# KiCad board delta48m.kicad_pcb (continued)
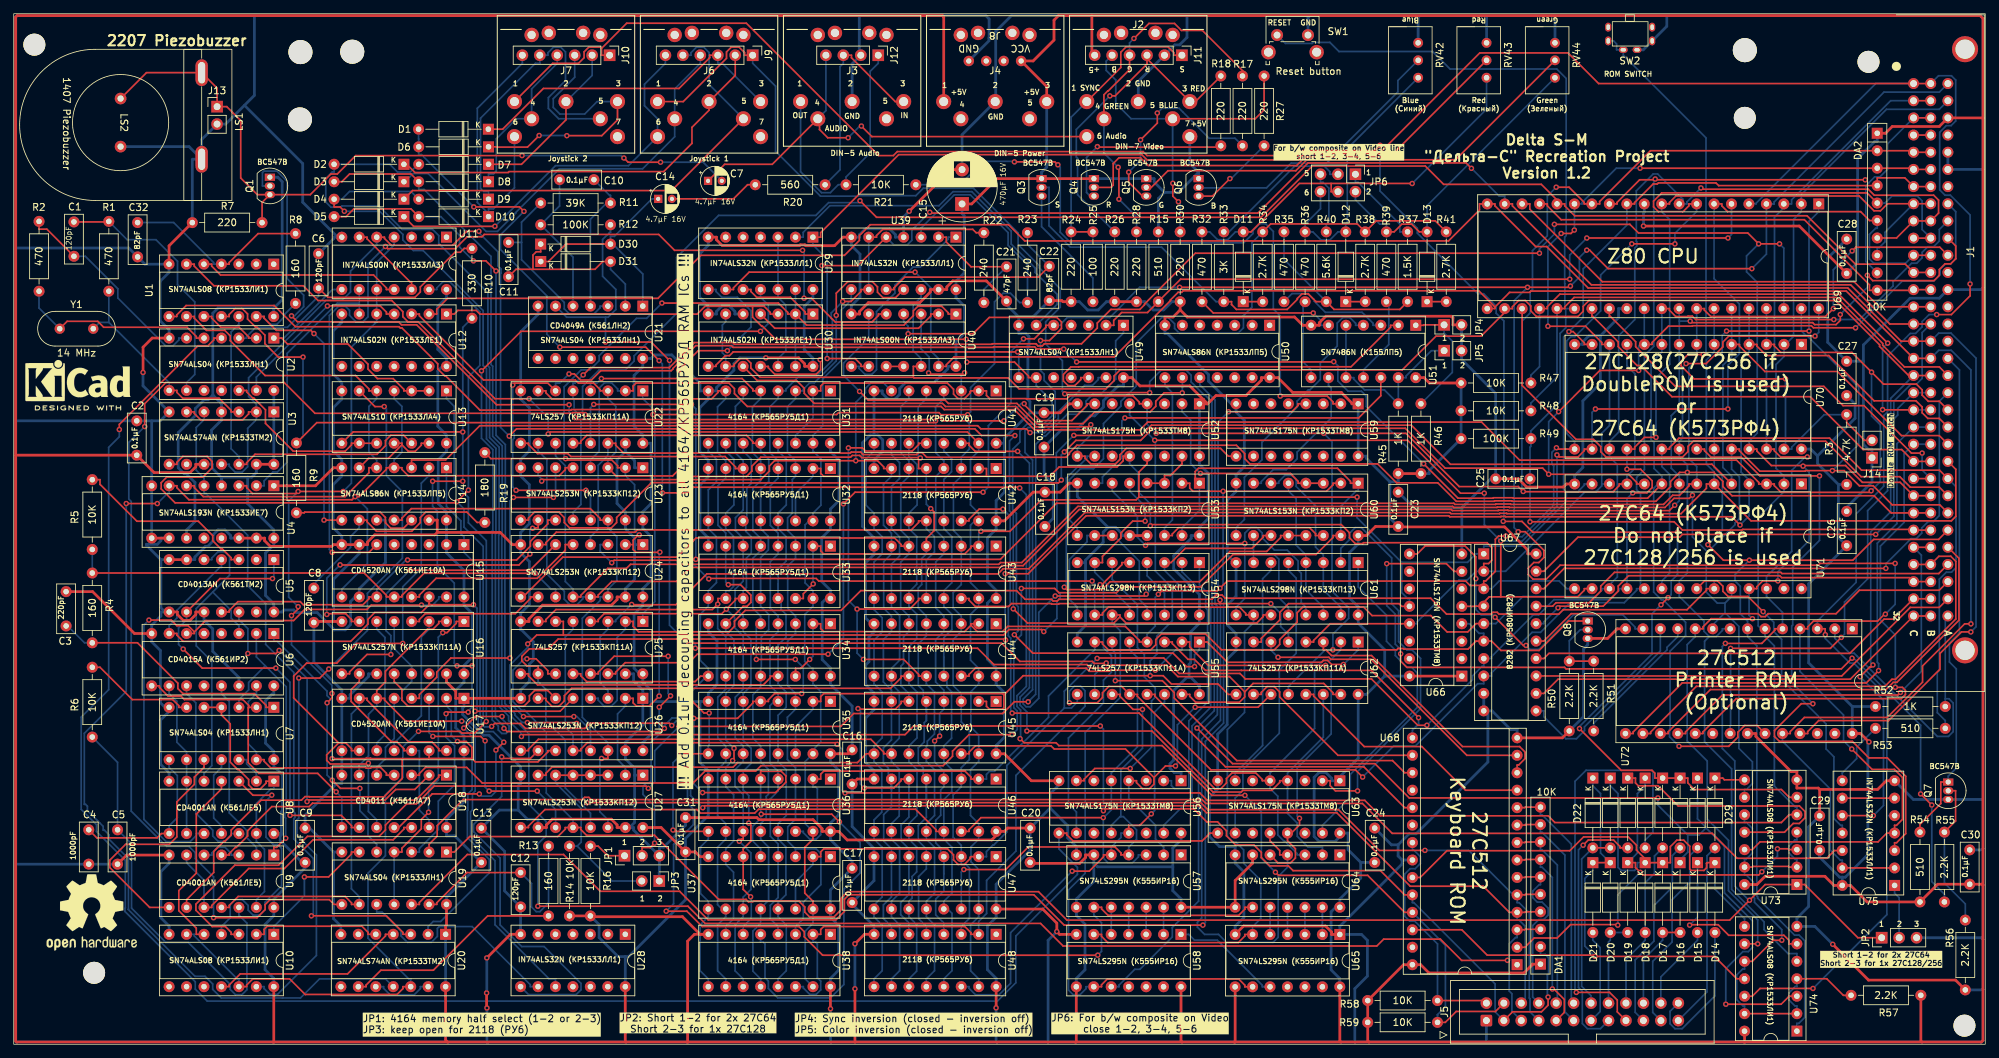
[diagram p0: board, top side]
## Routing (per net, layer and track width the routed paths; a pad name or vN(x,y) marks a point on that pad's centre or on a via; arc(x,y) is an arc through that point) (continued)
VIBOZUL: length 199.8
  Top w0.25: v1(171.9,54.97) 170.71,54.97 168.75,56.93 148.34,56.93 v1(145.66,59.61) ; v1(138.65,102.62) 110.89,102.62 109.01,104.5 108.89,104.5 107.56,105.84 107.56,107.42 ; 107.56,107.42 109.23,107.42 110.13,106.52 110.13,106.29 U30.3 ; 107.56,107.42 100.63,107.42 99.49,106.28 67.87,106.28 67.33,106.82 64.65,106.82 64.12,106.29 U12.1 ; v1(138.74,99.29) 145.69,99.29 147.72,97.26 147.72,97.03 U49.9 ; U55.1 173.73,58.55 176.68,55.6 190.38,55.6 190.66,55.88 191.26,55.88 191.85,55.28 v1(193.57,55.28)
  Bottom w0.25: v1(171.9,54.97) 171.9,56.72 172.6,57.42 U55.1 ; v1(138.65,102.62) 138.65,99.38 v1(138.74,99.29) ; v1(193.57,55.28) 195.72,57.42 U62.1 ; v1(145.66,59.61) 146.23,60.18 146.23,63.67 145.96,63.95 145.96,77.28 145.41,77.82 145.41,86.6 146.47,87.66 146.47,89.25 147.49,90.27 149.93,90.27 151.15,91.49 151.15,93.59 148.84,95.9 U49.9
VOZUL: length 150.5
  Top w0.25: v1(68.09,98.02) 73.85,103.78 v1(108.71,103.78) ; v1(65.51,46.02) 67.2,47.71 v1(71.08,47.71)
  Bottom w0.25: U29.11 108.72,108.73 109.84,107.6 109.84,104.91 v1(108.71,103.78) ; U20.2 60.33,17.13 61.07,17.88 62.16,17.88 69.23,24.95 69.23,26.91 66.04,30.09 66.04,34.01 66.1,34.07 66.1,36.43 66.72,37.05 66.72,44.82 v1(65.51,46.02) ; v1(71.08,47.71) 71.08,47.35 72.09,46.34 72.09,45.67 71.66,45.24 71.05,45.24 70.54,45.75 70.54,46.32 69.66,47.2 69.66,74.7 69.74,74.78 69.74,86.55 68.09,88.2 v1(68.09,98.02)
WEL: length 121
  Top w0.25: v1(119.73,106.1) 119.73,109.32 121.42,111.01 124.98,111.01 125.74,110.25 125.74,109.47 126.53,108.67 128.36,108.67 U39.11
  Bottom w0.25: 113.81,28.43 116.82,28.43 117.5,27.76 117.5,23.23 114.93,20.67 114.93,18.26 113.81,17.13 113.81,16 ; 113.81,28.43 113.81,27.3 ; 113.81,28.43 112.67,29.56 112.67,31.65 113.81,32.78 113.81,40.26 112.62,41.44 112.62,47.59 113.81,48.78 113.81,51.06 112.65,52.22 112.65,58.65 113.81,59.81 113.81,62.33 112.67,63.47 112.67,69.6 113.81,70.74 113.81,73.63 112.66,74.78 112.66,76.63 113.34,77.31 113.34,82.21 113.81,82.68 113.81,84.93 112.63,86.11 112.63,92.8 113.81,93.98 113.81,95.1 114.93,95.1 114.93,95.34 115.87,96.28 116.55,96.28 119.73,99.46 v1(119.73,106.1)
YB: length 45.3
  Top w0.25: R39.2 200.95,118.25 202.08,119.38 203.49,119.38 204.61,118.25 D13.2
  Bottom w0.25: D13.2 205.74,122.07 RV44.1 ; JP6.2 195.31,122.92 198.85,119.38 199.82,119.38 R39.2
YG: length 40.5
  Bottom w0.25: JP6.6 190.23,121.62 187.99,119.38 R36.2 189.11,118.25 190.29,117.07 191.6,117.07 192.78,118.25 D12.2 193.9,119.38 194.13,119.6 194.13,130.37 RV42.1
YR: length 56.5
  Top w0.25: 191.78,125.29 191.78,124.1 JP6.4 ; 191.78,125.29 187.15,125.29 180.11,118.25 D11.2 ; 191.78,125.29 v1(203.58,125.29)
  Bottom w0.25: R32.2 174.1,118.25 175.24,117.11 176.72,117.11 177.86,118.25 D11.2 ; v1(203.58,125.29) 214.4,136.12 RV43.1
ZPRG+: length 85.8
  Top w0.25: 106.18,98.67 108.21,96.63 113.93,96.63 115.08,95.48 115.08,94.74 116.53,93.29 135.18,93.29 135.64,92.83 145.84,92.83 148.8,89.88 156.49,89.88 v1(156.79,90.18) ; U52.9 155.95,85.6 155.95,85.32 156.8,84.47 160.38,84.47 161.04,85.13 161.04,85.82 161.97,86.74 175.67,86.74 176.81,85.6 U59.9
  Bottom w0.25: v1(156.79,90.18) 156.79,88.7 154.82,86.73 U52.9
ZPRGAT+: length 283.7
  Top w0.25: U56.9 153.28,30.74 153.28,30.5 154.19,29.59 173,29.59 174.14,30.74 U63.9 ; v1(15.37,89.48) 15.37,90.22 26.81,101.66 28.27,101.66 29.11,102.51 29.11,102.79 U2.4
  Bottom w0.25: v1(15.37,89.48) 15.37,88.43 13.82,86.88 13.82,51.61 9.82,47.62 9.82,34.19 12.05,31.96 12.05,30.96 16.25,26.76 16.25,19.85 16.19,19.79 16.19,19.33 26.43,9.1 26.43,8.02 28.16,6.28 143.2,6.28 145.88,8.96 145.88,15.76 154.84,24.72 154.84,25.75 152.16,28.43 U56.9
ZPRGBD: length 292.6
  Top w0.25: U64.9 179.22,19.94 179.22,19.66 178.33,18.77 159.3,18.77 158.36,19.71 158.36,19.94 U57.9 ; v1(94.98,19.37) 97.98,19.37 100.22,17.13 114.33,17.13 115.07,16.39 115.07,15.65 117.75,12.97 v1(157.8,12.97) ; U3.8 23.75,84.42 23.75,84.7 24.6,85.56 28.16,85.56 28.88,84.84 28.88,83.9 27.53,82.55 22.27,82.55 21.46,81.74 21.46,80.84 23.5,78.8 64.32,78.8 v1(64.5,78.98) v1(66.18,80.66) ; v1(69.57,46.26) 70,46.69 73.77,46.69 74.49,45.97 83.13,45.97 83.9,46.73 95.46,46.73 v1(95.79,46.4)
  Bottom w0.25: v1(94.98,19.37) 96.06,20.44 96.06,29.09 98.92,31.96 98.92,34.22 98.08,35.06 98.08,46.09 97.13,47.04 96.43,47.04 v1(95.79,46.4) ; v1(69.57,46.26) 69.5,46.2 68.55,46.2 68.06,46.68 68.06,47.28 68.34,47.56 68.34,72.48 65.54,75.27 65.54,77.94 v1(64.5,78.98) ; 60.46,109.86 61.58,109.86 61.58,110.09 62.49,111 63.47,111 67.85,106.62 67.85,98.8 66.18,97.14 v1(66.18,80.66) ; U57.9 157.23,18.82 158.35,17.7 158.35,13.51 v1(157.8,12.97)
ZPVDN: length 269.3
  Top w0.25: U65.6 179.21,15.98 179.21,15.75 178.26,14.8 159.26,14.8 158.35,15.71 158.35,15.99 U58.6 ; v1(156.98,67.42) 117.19,67.42 116.81,67.8 101.25,67.8 v1(101.18,67.73) ; U54.10 158.49,62.49 158.49,62.77 159.35,63.63 178.44,63.63 179.35,62.71 179.35,62.49 U61.10 ; 22.61,105.93 23.73,105.93 23.73,106.16 25.1,107.53 37.9,107.53 40.99,104.44 56.09,104.44 56.27,104.26 56.51,104.26 61.73,99.04 61.73,98.29 62.72,97.3 62.87,97.3 67.86,92.31 81.13,92.31 81.2,92.39 v1(97.34,92.39)
  Bottom w0.25: U61.10 180.48,61.36 179.17,60.05 179.17,48.3 176.67,45.8 176.67,30.23 177.52,29.39 177.94,29.39 179.04,28.29 179.04,26.35 181.54,23.85 181.54,18.3 180.34,17.11 U65.6 ; U54.10 157.36,67.04 v1(156.98,67.42) ; v1(97.34,92.39) 98.57,91.16 98.57,70.29 101.13,67.73 v1(101.18,67.73)
ВУL: length 318.2
  Top w0.25: v1(284.9,60.02) 283.54,60.02 280.41,56.89 280.41,54.6 272.92,47.11 262.75,47.11 261.15,45.51 261.15,45.23 U72.25 ; 60.46,106.29 61.58,106.29 61.58,106.99 63.16,108.57 93.78,108.57 100.05,114.84 120.93,114.84 123.1,117 123.1,117.71 124.67,119.28 144.82,119.28 147.17,116.93 208.86,116.93 213.37,121.44 213.37,122.32 U69.20 215.62,122.32 215.62,122.04 221.55,116.11 223.16,116.11 229.19,110.08 266.99,110.08 274.74,102.34 J1.16 J1.16
  Bottom w0.25: J1.16 280.23,103.51 282.01,103.51 285.65,99.87 285.65,60.76 v1(284.9,60.02)
ЗАПРШL: length 79
  Top w0.25: J1.50 280.31,98.59 275.23,98.59 272.07,101.75 272.07,102 265.36,108.71 227.15,108.71 225.78,107.34 225.78,107.08 U69.25
  Bottom w0.25: U69.25 224.66,105.95 224.65,105.95 224.65,97.13 220.85,93.33 220.85,92.2
ЗПL: length 286.7
  Top w0.25: 130.96,97.08 130.96,98.67 U40.12 ; 130.96,97.08 108.65,97.08 107.3,98.43 107.3,99.14 106.64,99.8 105.71,99.8 104.86,98.95 104.86,98.77 104.76,98.67 103.64,98.67 ; 130.96,97.08 131.05,96.99 144.75,96.99 146.34,95.4 158.98,95.4 160.17,96.59 160.17,97.28 161.05,98.16 202.13,98.16 207.05,103.07 213.6,103.07 217.6,107.08 ; 217.6,107.08 218.16,107.08 218.16,107.36 219.06,108.26 220.05,108.26 220.85,107.45 220.85,106.74 221.65,105.94 227.72,105.94 228.47,106.69 228.47,107.42 229.31,108.26 265.18,108.26 271.62,101.82 271.62,101.57 275.84,97.34 J1.18 J1.18 ; 217.6,107.08 U69.22 ; v1(249.93,57.63) 264.45,57.63 v1(266.04,59.22)
  Bottom w0.25: U40.12 132.09,99.8 130.93,100.95 130.93,107.58 132.09,108.73 U39.12 ; 103.64,98.67 103.64,100.17 103.16,100.65 103.16,104.68 103.64,105.16 103.64,106.29 ; U72.21 249.86,46.36 249.93,46.42 v1(249.93,57.63) ; v1(266.04,59.22) 266.51,59.69 266.51,64.37 269.88,67.73 269.88,77.67 272.78,80.58 272.78,91.43 273.23,91.89 273.23,94.02 J1.18
НПРL: length 62.8
  Top w0.25: U69.17 223.24,122.32 223.24,122.04 225.26,120.02 260.66,120.02 270.15,110.54 270.15,109.74 DA2.10 276.46,109.74 J1.13 J1.13
ОЖИДL: length 83
  Top w0.25: J1.20 272.09,92.34 v1(272.06,92.37) ; v1(272.8,102.05) 265.67,109.18 225.07,109.18 223.24,107.36 223.24,107.08 U69.24
  Bottom w0.25: v1(272.06,92.37) 272.06,101.31 v1(272.8,102.05) ; J1.20 J1.20 ; 220.85,96.25 220.85,97.38 222.12,98.64 U69.24
ОЗУL: length 288.1
  Top w0.25: v1(212.2,127.5) 211.41,128.29 188.42,128.29 181.12,120.99 133.46,120.99 v1(133.34,121.1) ; v1(268.77,53.5) 270.16,54.89 270.33,54.89 v1(270.65,55.21) ; v1(117.65,113.33) 122.86,113.33 U39.5 ; U30.11 109.84,98.67 109.84,98.47 110.78,97.54 116.83,97.54 117.47,98.17 117.47,99.58 v1(117.4,99.65) ; U75.10 v1(270.71,33.28) ; J1.15 J1.15 273.1,104.84 267.4,110.54 229.67,110.54 218.16,122.04 218.16,122.32 U69.19
  Bottom w0.25: v1(212.2,127.5) 216.25,123.45 217.04,123.45 U69.19 ; v1(133.34,121.1) 130.73,118.49 130.73,117.01 130.04,116.32 128.16,116.32 U39.5 ; v1(270.65,55.21) 270.33,55.53 270.33,74.6 273.23,77.51 273.23,91.2 273.69,91.65 273.69,93.58 276.19,96.09 276.98,96.09 277.81,96.92 277.81,103.59 J1.15 ; v1(270.71,33.28) 272.18,34.76 272.18,50.09 v1(268.77,53.5) ; v1(117.4,99.65) 117.65,99.9 v1(117.65,113.33)
ПЗШL: length 82.6
  Top w0.25: J1.57 280.31,81.09 276.08,81.09 274.56,82.61 268.93,82.61 263.76,87.78 244.48,87.78 243.73,87.02 243.73,86.28 242.93,85.48 231.79,85.48 231.03,86.25 231.03,86.99 229.97,88.05 227.43,88.05 219.58,95.9 U69.23
ПРL: length 398.8
  Top w0.25: v1(29.08,18.42) 35.42,18.42 36.59,19.59 36.59,20.32 37.32,21.05 45.94,21.05 46.63,20.36 47.76,20.36 ; 225.22,122.32 225.78,122.32 225.78,122.04 227.24,120.59 261.06,120.59 268.1,113.55 275.35,113.55 J1.12 J1.12 ; 225.22,122.32 222.37,125.17 208.15,125.17 205.49,127.83 189.03,127.83 181.57,120.37 125.6,120.37 v1(123.19,122.78) ; 225.22,122.32 U69.16 ; v1(19.07,89.91) 19.07,93.25 22.14,96.32 39.36,96.32 43.84,91.84 81.3,91.84 81.39,91.93 82.88,91.93 v1(83.16,91.66)
  Bottom w0.25: v1(29.08,18.42) 29.08,24.37 26.43,27.02 26.43,27.88 25.5,28.81 22.22,28.81 17.1,33.93 17.1,79.01 16.75,79.36 16.75,84.41 16.75,84.41 16.75,87.6 v1(19.07,89.91) ; v1(83.16,91.66) 82.81,92 82.81,95.74 85.2,98.13 89,98.13 90.3,99.43 90.3,100.2 96.49,106.38 96.49,114.53 102.6,120.64 116.76,120.64 118.62,122.51 122.92,122.51 v1(123.19,122.78)
РГНL: length 62.1
  Top w0.25: J1.24 J1.24 ; U69.28 232.28,105.95 232.42,105.95 236.11,102.26 236.11,101.53 241.87,95.77 263.5,95.77 266.31,92.95 269.35,92.95 276.25,86.05 v1(277.81,86.05)
  Bottom w0.25: v1(277.81,86.05) 277.81,83.59 J1.24
СБРОСL: length 171.8
  Top w0.25: J1.27 J1.27 276.46,74.94 251.69,74.94 251.6,74.85 242.91,74.85 241.71,76.05 v1(220.73,76.05)
  Bottom w0.25: U69.26 225.93,107.08 ; 225.93,107.08 225.8,107.21 225.8,110.71 225.78,110.73 225.78,117.5 225.99,117.71 225.99,140.59 224.62,141.96 209.09,141.96 206.55,144.5 192.93,144.5 191.59,145.83 189.14,145.83 188.99,145.68 185.12,145.68 SW1.1 ; 225.93,107.08 225.93,104.3 225.11,103.48 225.11,93.53 220.85,89.28 220.85,87.02 220.73,86.9 C25.1 220.73,76.05 v1(220.73,76.05)
СТОПL: length 66.1
  Top w0.25: J1.14 J1.14 271.56,107.34 267.91,110.99 231.26,110.99 220.7,121.55 220.7,122.32 U69.18
ТАКТ: length 103.5
  Top w0.25: U49.2 160.13,104.65 160.13,105.37 161.28,106.51 165.05,106.51 R15.1 166.62,108.12 169.86,111.36 v1(226.51,111.36) ; v1(229,117.35) v1(249.54,117.35)
  Bottom w0.25: U69.6 250.06,117.87 v1(249.54,117.35) ; v1(226.51,111.36) 226.51,114.86 v1(229,117.35)
ЧТL: length 311.5
  Top w0.25: 215.62,107.31 217.75,109.44 220.66,109.44 220.86,109.63 266.77,109.63 J1.17 J1.17 ; 215.62,107.31 213.27,109.67 170.23,109.67 170.02,109.46 169.5,109.46 168.37,108.33 168.37,108.23 160.18,100.04 136.89,100.04 135.75,98.9 135.75,98.67 U40.13 ; 215.62,107.31 215.62,107.08 U69.21 ; U72.24 258.61,45.23 258.61,45.51 260.66,47.57 272.73,47.57 277.87,52.71 277.87,55.07 284,61.19 v1(284.91,61.19) ; U75.13 U75.2 ; 103.64,109.86 104.76,109.86 104.76,110.09 107.06,112.39 v1(131.21,112.39)
  Bottom w0.25: U40.13 134.62,99.8 133.5,100.92 133.5,110.1 v1(131.21,112.39) ; v1(284.91,61.19) 284.91,98.14 282.05,101.01 280.23,101.01 J1.17 ; U75.13 266.18,26.79 265.9,26.79 264.44,28.25 264.44,37.15 257.48,44.11 U72.24
ЧТПЗУL: length 105
  Top w0.25: U70.20 241.04,86.63 241.04,86.87 242.41,88.23 264.32,88.23 268.99,83.56 280.33,83.56 J1.56
  Bottom w0.25: U71.20 239.92,67.44 241.05,68.57 241.05,82.96 239.92,84.09 U70.20 ; J1.56 282.74,81.16 282.74,69.37 282.08,68.71 281.33,68.71 280.31,67.69 280.31,54.42 280.01,54.13 280.01,48.28 281.18,47.11 R53.2
Net-(C1-Pad1): length 31.1
  Top w0.25: C1.1 4.81,118.65 3.68,118.65 R2.2
  Bottom w0.25: C1.1 10.43,114.69 15.16,109.96 15.16,108.62 22.13,101.65 23.18,101.65 24.03,102.51 24.03,102.79 U2.6
Net-(C1-Pad2): length 37.8
  Top w0.25: R1.1 13.76,119.69 C1.2
  Bottom w0.25: U2.9 25.16,96.3 26.35,97.49 26.35,108.06 23.84,110.57 23.84,113.97 20.71,117.11 16.51,117.11 R1.1
Net-(C3-Pad2): length 35.8
  Top w0.25: 11.43,58.43 18.02,58.43 23.89,52.56 23.89,51.77 24.62,51.04 35.01,51.04 36.73,49.32 36.73,49.04 U7.1
  Bottom w0.25: C3.2 7.85,60.89 10.3,58.43 11.43,58.43
Net-(C4-Pad2): length 24.2
  Top w0.25: U8.8 21.49,30.67 20.87,30.04 12.09,30.04 C4.2
  Bottom w0.25: U8.8 22.62,31.8 23.81,32.99 23.81,39.1 22.62,40.29 U7.8
Net-(C5-Pad2): length 62.5
  Bottom w0.25: R6.1 15.11,41.03 C5.2 16.85,29.48 16.85,27.67 17.15,27.36 17.15,19.81 22.14,14.82 25.4,14.82 31.51,8.71 31.51,7.99 32.28,7.21 33.22,7.21 33.94,7.94 33.94,17.64 32.78,18.79 U9.12
Net-(C6-Pad2): length 41.7
  Top w0.25: C6.2 45.72,108.72 58.4,108.72 59.19,109.51 59.19,110.24 64.24,115.29 65.02,115.29 65.58,115.84 R10.2
  Bottom w0.25: C6.2 44.38,108.89 39.84,104.35 35.24,104.35 33.91,103.02 33.91,102.79 U2.3
Net-(C8-Pad2): length 34
  Top w0.25: R19.2 67.45,75.96 65.95,77.46 59.97,77.46 59.18,76.67 59.18,75.92 57.93,74.67 52.81,74.67 51.42,76.06 51.42,76.3 U14.9
  Bottom w0.25: C8.2 43.69,66.99 49.03,72.33 49.03,73.91 50.29,75.17 U14.9
Net-(C10-Pad1): length 21.3
  Bottom w0.25: U21.4 83.95,120.09 86.87,123 ; 86.87,123 86.87,123.57 86.74,123.57 C10.1 ; 86.87,123 R11.2
Net-(C10-Pad2): length 21.5
  Bottom w0.25: U21.5 81.41,114.58 R12.1 79.46,122.02 C10.2
Net-(C11-Pad2): length 28.3
  Bottom w0.25: U21.3 85.37,107.45 85.37,107.21 84.43,106.28 80.91,106.28 80.14,107.04 80.14,107.98 73.92,114.2 73.92,116.72 ; R11.1 73.92,119.66 73.92,116.72 ; 73.92,116.72 C11.2
Net-(C12-Pad1): length 32.6
  Top w0.25: C12.1 65.98,24.99 61.58,20.59 61.58,20.36 60.46,20.36
  Bottom w0.25: C12.1 75.38,23.4 75.38,19.98 76.06,19.3 76.59,19.3 77.85,20.56 R13.1
Net-(C14-Pad2): length 13
  Top w0.25: C14.2 104.77,123.05 106.82,125.11 R20.2
Net-(C21-Pad1): length 18.7
  Top w0.25: C21.1 139.36,113.17 135.75,116.77 135.75,117.48 U39.2
  Bottom w0.25: R22.1 141.22,109.87 C21.1
Net-(C22-Pad1): length 31.5
  Top w0.25: U39.10 128.13,109.86 128.13,110.09 129.7,111.66 149.16,111.66 C22.1
  Bottom w0.25: R23.1 147.57,116.42 C22.1
Net-(C32-Pad2): length 27.6
  Top w0.25: R8.2 35.56,118 31.35,113.78 31.35,113.55 U1.4
  Bottom w0.25: U1.4 29.1,113.55 29.1,113.78 23.28,119.61 C32.2
Net-(D11-K): length 2.8
  Top w0.25: D11.1 R34.2
Net-(D12-K): length 2.8
  Top w0.25: D12.1 R38.2
Net-(D13-K): length 2.8
  Top w0.25: D13.1 R41.2
Net-(D30-A): length 32.9
  Top w0.25: D30.2 80.38,116.47 77.84,113.93 D31.1
  Bottom w0.25: U21.1 91.57,112.12 86.87,116.82 ; D30.2 86.87,116.82 ; 86.87,116.82 86.87,117.6 87.44,117.6 92.89,123.05 C14.1
Net-(D30-K): length 27.6
  Top w0.25: D31.2 85.75,113.93 84.62,112.81 75.59,112.81 ; 75.59,112.81 75.59,114.88 76.06,115.35 76.71,115.35 D30.1 ; 75.59,112.81 73.12,112.81 C11.1
  Bottom w0.25: U21.2 89.03,110.65 86.88,112.81 D31.2
Net-(J13-Pin_1): length 111.3
  Top w0.25: Q1.3 43.17,123.67 46.17,126.67 47.1,126.67 49.79,129.36 v1(73.99,129.36) ; Q1.3 36.15,122.53 R7.1 ; Q1.3 35.46,123.67 33.05,126.08 33.05,134.44 31.01,136.48 J13.1 29.6,139.18 LS1.1 19.32,141.42 LS2.1 ; v1(94.16,128.39) 89.44,128.39 v1(88.83,129)
  Bottom w0.25: C7.2 100.36,128.39 v1(94.16,128.39) ; v1(88.83,129) 88.77,129 88.42,129.36 v1(73.99,129.36)
Net-(JP1-A): length 5.5
  Top w0.25: R16.2 85.07,28.84 86.47,27.44 JP1.1
Net-(JP1-C): length 45.7
  Top w0.25: U25.13 85.08,53.92 85.08,54.15 87.41,56.48 v1(95.27,56.48) ; v1(93.29,29.28) 92.63,28.62 91.46,28.62 91.46,27.44 ; v1(93.97,49.06) v1(95.61,50.71)
  Bottom w0.25: v1(95.61,50.71) 95.27,51.06 v1(95.27,56.48) ; v1(93.29,29.28) 93.29,34.67 91.6,36.36 91.6,37.54 92.05,37.99 92.48,37.99 92.78,38.29 92.78,43.93 93.97,45.12 v1(93.97,49.06)
Net-(JP2-C): length 7.9
  Bottom w0.25: JP2.2 274.46,21.34 273.8,22 U75.1
Net-(JP3-B): length 32.4
  Top w0.25: U27.6 U27.5 U27.4 U27.3
  Bottom w0.25: 82.03,28.84 87.11,23.76 JP3.2 ; 82.03,28.84 R14.2 ; 82.03,28.84 82.6,29.42 82.6,34.31 78.88,38.04 U27.6
Net-(JP4-A): length 18
  Top w0.25: JP4.1 205.28,104.71 205.22,104.65 U51.1
  Bottom w0.25: JP4.1 208.22,103.54 209.42,102.34 209.42,97.8 R46.1
Net-(JP5-A): length 29.2
  Bottom w0.25: JP5.1 206.37,100.95 202.68,97.26 202.68,97.03 U51.13 201.55,93.24 R45.1 199.54,95.24 196.64,95.24 195.06,96.82 195.06,97.03 U51.10 U51.5
Net-(JP6-Pin_1): length 12.4
  Bottom w0.25: JP6.1 195.31,125.46 195.7,125.46 201.78,119.38 201.78,118.25 R37.2
Net-(JP6-Pin_3): length 21.3
  Bottom w0.25: R33.1 176.91,118.25 186.47,127.81 190.79,127.81 191.59,127 191.59,126.64 JP6.3
Net-(JP6-Pin_5): length 9.3
  Bottom w0.25: JP6.5 190.23,125.46 190.6,125.46 191.45,124.61 191.45,119.75 191.07,119.38 R40.2
Net-(Q3-E): length 18.5
  Bottom w0.25: R25.1 157.1,111.53 149.63,119.01 Q3.3
Net-(Q4-B): length 67.6
  Top w0.25: Q4.2 159.73,124.73 160.05,125.05 160.05,128.19 160.89,129.03 164.03,129.03 165.16,127.91 186.77,127.91 188.04,129.19 200.36,129.19 RV43.2
Net-(Q4-E): length 26.7
  Top w0.25: 175.72,130.75 175.55,130.59 157.82,130.59 v1(157.75,130.66)
  Bottom w0.25: Q4.3 156.7,123.46 156.17,123.98 156.17,129.08 v1(157.75,130.66)
Net-(Q5-B): length 67.2
  Top w0.25: RV44.2 209.87,128.74 188.23,128.74 186.64,127.15 168.02,127.15 165.6,124.73 Q5.2
Net-(Q5-E): length 30.2
  Top w0.25: Q5.3 164.32,123.46 162.31,125.47 v1(162.31,126.94) ; v1(166.47,135.55) 166.47,134.08 v1(164.03,131.64)
  Bottom w0.25: v1(164.03,131.64) 164.03,128.67 v1(162.31,126.94) ; v1(166.47,135.55) 167.16,136.24 169.65,136.24 174.01,131.88 177.78,131.88 178.91,130.75
Net-(Q6-B): length 40.6
  Bottom w0.25: Q6.2 172.56,124.66 182.37,124.66 185.98,128.26 191.14,128.26 201.5,138.63 201.5,140.28 RV42.2
Net-(Q6-E): length 12.6
  Top w0.25: v1(177.04,126) 174.49,123.46 Q6.3
  Bottom w0.25: R27.1 177.24,126 v1(177.04,126)
Net-(Q7-B): length 21.8
  Top w0.25: R55.1 282.68,32.51 282.68,36.9 Q7.2
  Bottom w0.25: R55.1 281.05,23.48 284.1,20.43 R56.2
Net-(Q8-B): length 9.9
  Top w0.25: R50.2 R51.1
  Bottom w0.25: Q8.2 228.05,60.34 226.44,58.73 R50.2
Net-(R2-Pad1): length 29.3
  Top w0.25: U2.5 26.57,102.79 26.57,103.02 25.23,104.37 13.09,104.37 12.22,105.23 7.77,105.23 Y1.1
  Bottom w0.25: Y1.1 3.68,107.16 R2.1
Net-(R6-Pad2): length 16.3
  Top w0.25: U7.6 24.03,49.04 24.03,49.27 23.14,50.17 17.27,50.17 12.56,54.88 R6.2
Net-(R8-Pad1): length 47.7
  Top w0.25: v1(43.71,103.45) 43.24,103.92 38.21,103.92 36.43,105.7 36.43,105.93 35.31,105.93 ; U14.8 v1(45.17,76.3)
  Bottom w0.25: v1(45.17,76.3) 45.17,101.99 v1(43.71,103.45) ; R8.1 39.49,106.3 39.49,105.98 38.31,104.8 37.33,104.8 36.43,105.7 36.43,105.93 35.31,105.93
Net-(R9-Pad2): length 18.7
  Top w0.25: U14.12 56.74,75.13 54.88,75.13 54.1,75.9 54.1,76.68 53.32,77.47 42.38,77.47 42.27,77.36 R9.2
Net-(R10-Pad1): length 111.7
  Top w0.25: v1(65.37,81.95) v1(60.98,81.95) ; 47.76,87.48 49.4,89.13 v1(65.37,89.13) ; v1(64.53,55.08) v1(66.71,55.08) ; v1(66.16,48.34) 63.16,48.34 v1(62.94,48.12)
  Bottom w0.25: R10.1 65.37,104.35 v1(65.37,89.13) v1(65.37,81.95) ; 57.92,27.98 59.04,27.98 59.04,28.49 61.81,31.26 61.81,35.4 64.18,37.76 64.18,43.44 62.94,44.68 v1(62.94,48.12) ; v1(60.98,81.95) 60.98,78.29 61.66,77.61 61.66,69.6 64.13,67.13 64.13,55.48 v1(64.53,55.08) ; v1(66.16,48.34) 66.16,48.51 66.71,49.06 v1(66.71,55.08)
Net-(R32-Pad1): length 20.3
  Top w0.25: R32.1 174.62,106.45 v1(189.17,106.45)
  Bottom w0.25: v1(189.17,106.45) 190.27,105.35 190.27,104.65 U51.6
Net-(R35-Pad1): length 16.8
  Bottom w0.25: R35.1 186.09,109.26 188.41,109.26 189.29,108.39 189.29,108.18 190.93,106.54 196.28,106.54 197.89,104.93 197.89,104.65 U51.3
Net-(R36-Pad1): length 11.7
  Bottom w0.25: R36.1 187.69,107.8 187.69,99.32 188.85,98.16 U51.8
Net-(R39-Pad1): length 12.7
  Bottom w0.25: U51.11 196.47,98.16 200.17,101.85 200.17,107.74 R39.1
Net-(R53-Pad1): length 9.6
  Bottom w0.25: R53.1 268.29,43.26 268.29,41.59 266.18,39.49 U75.8
Net-(R57-Pad2): length 74.3
  Top w0.25: U73.2 258.45,25.79 258.36,25.88 253.18,25.88 253.08,25.79 U73.13 ; R57.2 266.34,7.12 263.93,9.53 U74.4 ; U74.13 U74.2 ; U74.10 253.08,12.07 256.15,15.14 v1(257.38,15.14)
  Bottom w0.25: U74.2 259.58,5.58 259.3,5.58 258.43,6.45 258.43,7.49 259.34,8.41 259.58,8.41 U74.4 ; U73.10 251.96,32.28 252.24,32.28 253.1,31.43 253.1,27.82 252.19,26.92 251.96,26.92 U73.13 251.96,24.66 252.19,24.66 253.24,23.61 253.24,21.43 253.41,21.26 253.41,20.66 257.38,16.69 v1(257.38,15.14) ; U73.2 259.58,26.92 259.34,26.92 258.43,27.83 258.43,28.88 259.3,29.74 259.58,29.74 U73.4 ; U74.13 251.96,5.58 251.72,5.58 250.81,6.5 250.81,10.08 251.68,10.95 251.96,10.95 U74.10
Net-(U1-Pad5): length 29.5
  Top w0.25: U11.11 54.25,109.86 54.25,110.09 52.37,111.97 30.11,111.97 28.81,113.27 28.81,113.55 U1.5
Net-(U1-Pad10): length 9.2
  Top w0.25: 27.69,105.93 28.81,105.93 28.81,105.7 30.14,104.37 32.8,104.37 34.19,102.97 34.19,102.79 U2.2
Net-(U3A-C): length 32.5
  Top w0.25: U3.3 31.65,92.04 31.65,92.27 29.88,94.04 24.59,94.04 23.75,94.89 23.75,95.17 U2.8
  Bottom w0.25: 13.84,105.08 22.62,96.3 U2.8 ; 13.84,105.08 R1.2 ; 13.84,105.08 12.5,105.08 Y1.2
Net-(U3B-D): length 50.4
  Top w0.25: 57.92,87.48 56.75,88.65 54.89,88.65 54.11,87.86 54.11,87.11 52.87,85.88 35.13,85.88 33.91,84.65 33.91,84.42 U3.12
  Bottom w0.25: 32.77,105.93 32.77,104.8 31.64,103.68 31.64,86.69 32.78,85.55 U3.12
Net-(U4-QA): length 117.4
  Top w0.25: U4.3 33.91,81.29 33.91,81.01 34.76,80.16 41.09,80.16 v1(41.39,80.46) v1(47.96,80.46) ; v1(50.39,37.25) 47.55,37.25 v1(46.37,38.44) ; v1(46.33,51.06) 46.33,50.41 v1(45.61,49.7) ; v1(40.43,62.4) 41.41,63.37 v1(41.41,63.7)
  Bottom w0.25: v1(46.37,38.44) 45.61,39.19 v1(45.61,49.7) ; U11.4 55.38,116.35 52.84,113.81 52.84,105.16 49.15,101.48 49.15,81.65 v1(47.96,80.46) ; v1(41.41,63.7) 40.02,65.08 40.02,79.09 v1(41.39,80.46) ; v1(40.43,62.4) 40.43,58.14 46.33,52.25 v1(46.33,51.06) ; v1(50.39,37.25) 50.39,33.99 51.57,32.81 51.57,30.38 52.84,29.11 52.84,27.98
Net-(U4-QB): length 39.3
  Bottom w0.25: 50.3,107.87 47.1,107.87 39.8,100.57 39.8,84.72 38.37,83.29 37.74,83.29 36.45,82.01 36.45,81.29 U4.2 ; 50.3,107.87 U11.9 ; 50.3,107.87 U12.6
Net-(U4-QC): length 75.7
  Top w0.25: 52.84,95.1 51.71,95.1 51.71,95.38 49.75,97.34 36.59,97.34 31.52,102.41 31.52,103.1 30.71,103.92 28.05,103.92 26.27,105.7 26.27,105.93 25.15,105.93 ; U4.6 26.29,81.29 26.29,81.01 27.59,79.71 48.23,79.71 51.71,83.18 51.71,83.92 U14.5
  Bottom w0.25: 52.84,95.1 52.84,93.98 51.71,92.84 51.71,86.17 52.83,85.04 U14.5
Net-(U5-C1): length 27.2
  Top w0.25: U5.3 31.65,70.54 31.65,70.81 30.36,72.11 30.16,72.11 28.97,73.3 28.97,74.03 26.86,76.13 17.92,76.13 12.56,81.5 12.56,82.18 R5.2
Net-(U5-D1): length 48.3
  Bottom w0.25: U6.3 32.78,60.92 31.65,62.04 31.65,63.13 28.97,65.82 ; U8.5 27.7,39.42 28.83,40.55 28.83,55.72 26.56,58 26.56,63.42 28.97,65.82 ; 28.97,65.82 31.42,68.27 31.42,70.97 30.72,71.68 29.73,71.68 28.83,70.77 28.83,70.54 U5.5
Net-(U5-D2): length 71.4
  Top w0.25: v1(24.67,57.53) 27.43,54.76 v1(38.15,54.76) ; U18.9 49.17,31.55 49.17,31.83 47.68,33.31 v1(40.22,33.31) ; U5.9 30.02,67.78 v1(37.67,67.78)
  Bottom w0.25: v1(24.67,57.53) 23.99,58.2 23.99,60.63 25.16,61.79 U5.9 ; v1(40.22,33.31) 40.22,52.69 v1(38.15,54.76) ; v1(37.67,67.78) 37.86,67.97 U5.1
Net-(U5-Q2o): length 54.3
  Top w0.25: 60.46,39.17 58.38,37.09 55.6,37.09 54.07,35.56 42.94,35.56 v1(42.7,35.32) ; v1(38.63,57.33) 38.19,56.88 v1(34.08,56.88)
  Bottom w0.25: U5.12 32.78,61.79 34.08,60.49 v1(34.08,56.88) ; v1(38.63,57.33) 42.7,53.26 v1(42.7,35.32)
Net-(U6A-CP): length 45
  Top w0.25: 34.2,49.04 U7.2 ; 34.2,49.04 34.19,49.04 34.19,49.32 33.35,50.17 24.86,50.17 24.35,50.67 22.47,50.67 21.21,51.94 21.21,52.17 U6.9 ; 34.2,49.04 34.12,48.97 34.12,40.99 35.68,39.43 44.24,39.43 v1(46.94,36.74)
  Bottom w0.25: 47.76,31.55 47.76,35.91 v1(46.94,36.74)
Net-(U6A-Q4): length 22.6
  Bottom w0.25: U6.10 22.62,51.04 23.75,49.92 23.75,43.96 25.16,42.55 U7.9 U8.6 U8.9
Net-(U6B-D): length 33.2
  Top w0.25: U18.4 54.25,39.17 54.25,39.45 53.4,40.3 52.04,40.3 51.93,40.19 51.33,40.19 51.22,40.3 46.14,40.3 46.06,40.22 37.41,40.22 36.45,41.19 36.45,41.42 U7.13
  Bottom w0.25: U6.15 35.32,51.04 34.15,49.87 34.15,43.72 35.32,42.55 U7.13
Net-(U6B-Q1): length 26.7
  Bottom w0.25: U9.2 35.32,28.67 33.91,30.08 33.91,31.14 31.37,33.68 31.37,49.92 30.24,51.04 U6.13
Net-(U6B-Q3): length 28.2
  Bottom w0.25: U8.12 31.65,30.67 31.65,30.39 30.8,29.53 29.75,29.53 28.97,30.32 28.97,31.16 26.5,33.63 26.5,49.7 25.16,51.04 U6.11
Net-(U6B-Q4): length 42.8
  Top w0.25: v1(39.59,29.99) 38.27,28.67 37.86,28.67 U9.1
  Bottom w0.25: 36.61,55.09 39.66,52.03 39.66,33.79 39.49,33.61 39.49,33.01 39.59,32.91 v1(39.59,29.99) ; 36.61,55.09 34.19,52.68 34.19,51.58 32.78,50.17 U7.3 ; 36.61,55.09 35.32,56.38 U6.2
Net-(U7-Pad4): length 40.7
  Top w0.25: U8.1 36.73,38.29 36.73,38.01 35.89,37.16 34.8,37.16 34.19,37.77 34.19,38.54 32.74,40 32.58,40 31.51,41.07 31.51,46.64 30.24,47.91 U7.4 U7.5
  Bottom w0.25: U9.13 35.32,21.05 36.49,22.22 36.49,28.37 35.32,29.54 U8.13 35.32,35.04 37.44,37.16 37.86,37.16 U8.1
